# KiCad board poly_kb_molecule_16x5.kicad_pcb (continued)
## Placement (name value [footprint] x y rotation side) (continued)
R1#31  1M  [R_0402_1005Metric]  155.8 50.91 270 bottom
R1#32  1M  [R_0402_1005Metric]  270.1 69.96 270 bottom
R1#33  1M  [R_0402_1005Metric]  60.55 89.01 270 bottom
R1#34  1M  [R_0402_1005Metric]  3.4 69.96 270 bottom
R1#35  1M  [R_0402_1005Metric]  136.75 50.91 270 bottom
R1#36  1M  [R_0402_1005Metric]  289.15 89.01 270 bottom
R1#37  1M  [R_0402_1005Metric]  251.05 50.91 270 bottom
R1#38  1M  [R_0402_1005Metric]  155.8 69.96 270 bottom
R1#39  1M  [R_0402_1005Metric]  155.8 12.81 270 bottom
R1#40  1M  [R_0402_1005Metric]  155.8 31.86 270 bottom
R1#41  1M  [R_0402_1005Metric]  174.85 89.01 270 bottom
R1#42  1M  [R_0402_1005Metric]  117.7 69.96 270 bottom
R1#43  1M  [R_0402_1005Metric]  174.85 12.81 270 bottom
R1#44  1M  [R_0402_1005Metric]  136.75 12.81 270 bottom
R1#45  1M  [R_0402_1005Metric]  41.5 12.81 270 bottom
R1#46  1M  [R_0402_1005Metric]  193.9 89.01 270 bottom
R1#47  1M  [R_0402_1005Metric]  41.5 69.96 270 bottom
R1#48  1M  [R_0402_1005Metric]  3.4 89.01 270 bottom
R1#49  1M  [R_0402_1005Metric]  270.1 31.86 270 bottom
R1#50  1M  [R_0402_1005Metric]  155.8 89.01 270 bottom
R1#51  1M  [R_0402_1005Metric]  98.65 89.01 270 bottom
R1#52  1M  [R_0402_1005Metric]  212.95 89.01 270 bottom
R1#53  1M  [R_0402_1005Metric]  193.9 50.91 270 bottom
R1#54  1M  [R_0402_1005Metric]  251.05 89.01 270 bottom
R1#55  1M  [R_0402_1005Metric]  212.95 31.86 270 bottom
R1#56  1M  [R_0402_1005Metric]  289.15 69.96 270 bottom
R1#57  1M  [R_0402_1005Metric]  79.6 12.81 270 bottom
R1#58  1M  [R_0402_1005Metric]  22.45 31.86 270 bottom
R1#59  1M  [R_0402_1005Metric]  193.9 69.96 270 bottom
R1#60  1M  [R_0402_1005Metric]  60.55 12.81 270 bottom
R1#61  1M  [R_0402_1005Metric]  232 89.01 270 bottom
R1#62  1M  [R_0402_1005Metric]  136.75 89.01 270 bottom
R1#63  1M  [R_0402_1005Metric]  117.7 89.01 270 bottom
R1#64  1M  [R_0402_1005Metric]  174.85 31.86 270 bottom
R1#65  1M  [R_0402_1005Metric]  289.15 50.91 270 bottom
R1#66  1M  [R_0402_1005Metric]  251.05 69.96 270 bottom
R1#67  1M  [R_0402_1005Metric]  270.1 89.01 270 bottom
R1#68  1M  [R_0402_1005Metric]  289.15 12.81 270 bottom
R1#69  1M  [R_0402_1005Metric]  193.9 31.86 270 bottom
R1#70  1M  [R_0402_1005Metric]  117.7 50.91 270 bottom
R1#71  1M  [R_0402_1005Metric]  117.7 31.86 270 bottom
R1#72  1M  [R_0402_1005Metric]  60.55 31.86 270 bottom
R1#73  1M  [R_0402_1005Metric]  251.05 12.81 270 bottom
R1#74  1M  [R_0402_1005Metric]  212.95 12.81 270 bottom
R1#75  1M  [R_0402_1005Metric]  41.5 31.86 270 bottom
R1#76  1M  [R_0402_1005Metric]  212.95 50.91 270 bottom
R1#77  1M  [R_0402_1005Metric]  270.1 50.91 270 bottom
R1#78  1M  [R_0402_1005Metric]  136.75 31.86 270 bottom
R1#79  1M  [R_0402_1005Metric]  79.6 89.01 270 bottom
R1#80  1M  [R_0402_1005Metric]  174.85 50.91 270 bottom
SW1  SW_Push  [SW_Cherry_MX_1.00u_PCB_NoSilk]  12.06 89.53 0 top
SW1#2  SW_Push  [SW_Cherry_MX_1.00u_PCB_NoSilk]  240.67 51.44 0 top
SW1#3  SW_Push  [SW_Cherry_MX_1.00u_PCB_NoSilk]  88.27 51.44 0 top
SW1#4  SW_Push  [SW_Cherry_MX_1.00u_PCB_NoSilk]  221.62 70.48 0 top
SW1#5  SW_Push  [SW_Cherry_MX_1.00u_PCB_NoSilk]  259.71 70.48 0 top
SW1#6  SW_Push  [SW_Cherry_MX_1.00u_PCB_NoSilk]  107.31 13.34 0 top
SW1#7  SW_Push  [SW_Cherry_MX_1.00u_PCB_NoSilk]  278.76 70.48 0 top
SW1#8  SW_Push  [SW_Cherry_MX_1.00u_PCB_NoSilk]  240.67 89.53 0 top
SW1#9  SW_Push  [SW_Cherry_MX_1.00u_PCB_NoSilk]  107.31 32.38 0 top
SW1#10  SW_Push  [SW_Cherry_MX_1.00u_PCB_NoSilk]  183.51 70.48 0 top
SW1#11  SW_Push  [SW_Cherry_MX_1.00u_PCB_NoSilk]  202.56 32.38 0 top
SW1#12  SW_Push  [SW_Cherry_MX_1.00u_PCB_NoSilk]  259.71 13.34 0 top
SW1#13  SW_Push  [SW_Cherry_MX_1.00u_PCB_NoSilk]  240.67 13.34 0 top
SW1#14  SW_Push  [SW_Cherry_MX_1.00u_PCB_NoSilk]  126.37 13.34 0 top
SW1#15  SW_Push  [SW_Cherry_MX_1.00u_PCB_NoSilk]  164.47 13.34 0 top
SW1#16  SW_Push  [SW_Cherry_MX_1.00u_PCB_NoSilk]  221.62 89.53 0 top
SW1#17  SW_Push  [SW_Cherry_MX_1.00u_PCB_NoSilk]  12.06 70.48 0 top
SW1#18  SW_Push  [SW_Cherry_MX_1.00u_PCB_NoSilk]  240.67 32.38 0 top
SW1#19  SW_Push  [SW_Cherry_MX_1.00u_PCB_NoSilk]  126.37 32.38 0 top
SW1#20  SW_Push  [SW_Cherry_MX_1.00u_PCB_NoSilk]  278.76 51.44 0 top
SW1#21  SW_Push  [SW_Cherry_MX_1.00u_PCB_NoSilk]  259.71 51.44 0 top
SW1#22  SW_Push  [SW_Cherry_MX_1.00u_PCB_NoSilk]  183.51 89.53 0 top
SW1#23  SW_Push  [SW_Cherry_MX_1.00u_PCB_NoSilk]  202.56 13.34 0 top
SW1#24  SW_Push  [SW_Cherry_MX_1.00u_PCB_NoSilk]  278.76 89.53 0 top
SW1#25  SW_Push  [SW_Cherry_MX_1.00u_PCB_NoSilk]  50.16 32.38 0 top
SW1#26  SW_Push  [SW_Cherry_MX_1.00u_PCB_NoSilk]  126.37 51.44 0 top
SW1#27  SW_Push  [SW_Cherry_MX_1.00u_PCB_NoSilk]  126.37 89.53 0 top
SW1#28  SW_Push  [SW_Cherry_MX_1.00u_PCB_NoSilk]  31.11 32.38 0 top
SW1#29  SW_Push  [SW_Cherry_MX_1.00u_PCB_NoSilk]  107.31 51.44 0 top
SW1#30  SW_Push  [SW_Cherry_MX_1.00u_PCB_NoSilk]  12.06 13.34 0 top
SW1#31  SW_Push  [SW_Cherry_MX_1.00u_PCB_NoSilk]  278.76 32.38 0 top
SW1#32  SW_Push  [SW_Cherry_MX_1.00u_PCB_NoSilk]  107.31 70.48 0 top
SW1#33  SW_Push  [SW_Cherry_MX_1.00u_PCB_NoSilk]  297.81 51.44 0 top
SW1#34  SW_Push  [SW_Cherry_MX_1.00u_PCB_NoSilk]  12.06 32.38 0 top
SW1#35  SW_Push  [SW_Cherry_MX_1.00u_PCB_NoSilk]  69.22 51.44 0 top
SW1#36  SW_Push  [SW_Cherry_MX_1.00u_PCB_NoSilk]  88.27 89.53 0 top
SW1#37  SW_Push  [SW_Cherry_MX_1.00u_PCB_NoSilk]  221.62 32.38 0 top
SW1#38  SW_Push  [SW_Cherry_MX_1.00u_PCB_NoSilk]  183.51 51.44 0 top
SW1#39  SW_Push  [SW_Cherry_MX_1.00u_PCB_NoSilk]  31.11 70.48 0 top
SW1#40  SW_Push  [SW_Cherry_MX_1.00u_PCB_NoSilk]  69.22 89.53 0 top
SW1#41  SW_Push  [SW_Cherry_MX_1.00u_PCB_NoSilk]  69.22 32.38 0 top
SW1#42  SW_Push  [SW_Cherry_MX_1.00u_PCB_NoSilk]  31.11 89.53 0 top
SW1#43  SW_Push  [SW_Cherry_MX_1.00u_PCB_NoSilk]  107.31 89.53 0 top
SW1#44  SW_Push  [SW_Cherry_MX_1.00u_PCB_NoSilk]  126.37 70.48 0 top
SW1#45  SW_Push  [SW_Cherry_MX_1.00u_PCB_NoSilk]  12.06 51.44 0 top
SW1#46  SW_Push  [SW_Cherry_MX_1.00u_PCB_NoSilk]  88.27 70.48 0 top
SW1#47  SW_Push  [SW_Cherry_MX_1.00u_PCB_NoSilk]  183.51 32.38 0 top
SW1#48  SW_Push  [SW_Cherry_MX_1.00u_PCB_NoSilk]  88.27 13.34 0 top
SW1#49  SW_Push  [SW_Cherry_MX_1.00u_PCB_NoSilk]  202.56 70.48 0 top
SW1#50  SW_Push  [SW_Cherry_MX_1.00u_PCB_NoSilk]  164.47 51.44 0 top
SW1#51  SW_Push  [SW_Cherry_MX_1.00u_PCB_NoSilk]  297.81 70.48 0 top
SW1#52  SW_Push  [SW_Cherry_MX_1.00u_PCB_NoSilk]  221.62 13.34 0 top
SW1#53  SW_Push  [SW_Cherry_MX_1.00u_PCB_NoSilk]  297.81 32.38 0 top
SW1#54  SW_Push  [SW_Cherry_MX_1.00u_PCB_NoSilk]  259.71 32.38 0 top
SW1#55  SW_Push  [SW_Cherry_MX_1.00u_PCB_NoSilk]  145.41 32.38 0 top
SW1#56  SW_Push  [SW_Cherry_MX_1.00u_PCB_NoSilk]  145.41 51.44 0 top
SW1#57  SW_Push  [SW_Cherry_MX_1.00u_PCB_NoSilk]  69.22 70.48 0 top
SW1#58  SW_Push  [SW_Cherry_MX_1.00u_PCB_NoSilk]  69.22 13.34 0 top
SW1#59  SW_Push  [SW_Cherry_MX_1.00u_PCB_NoSilk]  297.81 13.34 0 top
SW1#60  SW_Push  [SW_Cherry_MX_1.00u_PCB_NoSilk]  50.16 51.44 0 top
SW1#61  SW_Push  [SW_Cherry_MX_1.00u_PCB_NoSilk]  202.56 51.44 0 top
SW1#62  SW_Push  [SW_Cherry_MX_1.00u_PCB_NoSilk]  145.41 13.34 0 top
SW1#63  SW_Push  [SW_Cherry_MX_1.00u_PCB_NoSilk]  50.16 70.48 0 top
SW1#64  SW_Push  [SW_Cherry_MX_1.00u_PCB_NoSilk]  145.41 89.53 0 top
SW1#65  SW_Push  [SW_Cherry_MX_1.00u_PCB_NoSilk]  259.71 89.53 0 top
SW1#66  SW_Push  [SW_Cherry_MX_1.00u_PCB_NoSilk]  202.56 89.53 0 top
SW1#67  SW_Push  [SW_Cherry_MX_1.00u_PCB_NoSilk]  164.47 89.53 0 top
SW1#68  SW_Push  [SW_Cherry_MX_1.00u_PCB_NoSilk]  145.41 70.48 0 top
SW1#69  SW_Push  [SW_Cherry_MX_1.00u_PCB_NoSilk]  31.11 13.34 0 top
SW1#70  SW_Push  [SW_Cherry_MX_1.00u_PCB_NoSilk]  221.62 51.44 0 top
SW1#71  SW_Push  [SW_Cherry_MX_1.00u_PCB_NoSilk]  31.11 51.44 0 top
SW1#72  SW_Push  [SW_Cherry_MX_1.00u_PCB_NoSilk]  240.67 70.48 0 top
SW1#73  SW_Push  [SW_Cherry_MX_1.00u_PCB_NoSilk]  297.81 89.53 0 top
SW1#74  SW_Push  [SW_Cherry_MX_1.00u_PCB_NoSilk]  183.51 13.34 0 top
SW1#75  SW_Push  [SW_Cherry_MX_1.00u_PCB_NoSilk]  88.27 32.38 0 top
SW1#76  SW_Push  [SW_Cherry_MX_1.00u_PCB_NoSilk]  50.16 89.53 0 top
SW1#77  SW_Push  [SW_Cherry_MX_1.00u_PCB_NoSilk]  164.47 70.48 0 top
SW1#78  SW_Push  [SW_Cherry_MX_1.00u_PCB_NoSilk]  278.76 13.34 0 top
SW1#79  SW_Push  [SW_Cherry_MX_1.00u_PCB_NoSilk]  164.47 32.38 0 top
SW1#80  SW_Push  [SW_Cherry_MX_1.00u_PCB_NoSilk]  50.16 13.34 0 top

## Library data of the parts
C1 C1#2-C1#80 C2 C2#2-C2#80 = -: LCSC: C23630
C3 C3#2-C3#80 C5 C5#2-C5#80 C6 C6#2-C6#80 = -: LCSC: C52923
C4 C4#2-C4#80 C7 C7#2-C7#80 = -: LCSC: C19666
D1 D1#2-D1#80 = -: LCSC: C169468
J1 J1#2-J1#80 = -: LCSC: C561388
LED1 LED1#2-LED1#80 = -: LCSC: C527089

## Footprints (pads in the part's own frame, mm; a bottom-side part is the same pattern mirrored in y, then rotated)
AtomConnect2
  rect 1.5x2 smd: 1(-8,0) 2(-6,0) 3(-4,0) 4(-2,0) 5(0,0) 6(2,0) 7(4,0) 8(6,0) 9(8,0)
AtomConnectCS
  rect 1.5x2 smd: 1(-8,0)
  custom 1.5x2 smd: 2(-6,0.5) 3(-4,0.5) 4(-2,0.5) 5(0,0.5) 6(2,0.5) 7(4,0.5) 8(6,0.5) 9(8,0.5)
  custom 2.3x0.9 smd: 10(-5.5,-0.75) 10(-1.5,-0.75) 10(2.5,-0.75) 10(6.5,-0.75)
C_0402_1005Metric
  rrect 0.56x0.62 smd: 1(-0.48,0) 2(0.48,0)
C_0603_1608Metric
  rrect 0.9x0.95 smd: 1(-0.775,0) 2(0.775,0)
D_SOD-323Ext
  rect 0.8x0.6 smd: 1(-1.05,0) 2(1.05,0)
FPC_16_JUSHUO_AFC05_S16FIA_00
  rect 0.3x1.15 smd: 0(-4.385,-2.81) 0(4.385,-2.81)
  rect 0.3x0.65 smd: 1(-3.75,0) 2(-3.25,0) 3(-2.75,0) 4(-2.25,0) 5(-1.75,0) 6(-1.25,0) 7(-0.75,0) 8(-0.25,0) 9(0.25,0) 10(0.75,0) 11(1.25,0) 12(1.75,0) 13(2.25,0) 14(2.75,0) 15(3.25,0) 16(3.75,0)
R_0402_1005Metric
  rrect 0.54x0.64 smd: 1(-0.51,0) 2(0.51,0)
SW_Cherry_MX_1.00u_PCB_NoSilk
  round 1.7 hole 1.7 unplated: (-7.62,-5.08) (2.54,-5.08)
  round 4 hole 4 unplated: (-2.54,-5.08)
  round 2.2 hole 1.5: 1(0,0) 2(-6.35,-2.54)
TestPoin_1.5x1.5mm_Drill0.7mm
  rect 1.5x1.5 hole 0.7: 1(0,0)
WS2812B-Mini
  rect 1.15x0.9 smd: 1(-1.465,0.89) 2(-1.465,-0.89) 3(1.465,-0.89) 4(1.465,0.89)

## Nets
/Keyboard/sheet605ED2EB/3V3: C3.1 C3#2.1 C3#3.1 C3#4.1 C3#5.1 C3#6.1 C3#7.1 C3#8.1 C3#9.1 C3#10.1 C3#11.1 C3#12.1 C3#13.1 C3#14.1 C3#15.1 C3#16.1 C3#17.1 C3#18.1 C3#19.1 C3#20.1 C3#21.1 C3#22.1 C3#23.1 C3#24.1 C3#25.1 C3#26.1 C3#27.1 C3#28.1 C3#29.1 C3#30.1 C3#31.1 C3#32.1 C3#33.1 C3#34.1 C3#35.1 C3#36.1 C3#37.1 C3#38.1 C3#39.1 C3#40.1 C3#41.1 C3#42.1 C3#43.1 C3#44.1 C3#45.1 C3#46.1 C3#47.1 C3#48.1 C3#49.1 C3#50.1 C3#51.1 C3#52.1 C3#53.1 C3#54.1 C3#55.1 C3#56.1 C3#57.1 C3#58.1 C3#59.1 C3#60.1 C3#61.1 C3#62.1 C3#63.1 C3#64.1 C3#65.1 C3#66.1 C3#67.1 C3#68.1 C3#69.1 C3#70.1 C3#71.1 C3#72.1 C3#73.1 C3#74.1 C3#75.1 C3#76.1 C3#77.1 C3#78.1 C3#79.1 C3#80.1 J1.9 J1#2.9 J1#3.9 J1#4.9 J1#5.9 J1#6.9 J1#7.9 J1#8.9 J1#9.9 J1#10.9 J1#11.9 J1#12.9 J1#13.9 J1#14.9 J1#15.9 J1#16.9 J1#17.9 J1#18.9 J1#19.9 J1#20.9 J1#21.9 J1#22.9 J1#23.9 J1#24.9 J1#25.9 J1#26.9 J1#27.9 J1#28.9 J1#29.9 J1#30.9 J1#31.9 J1#32.9 J1#33.9 J1#34.9 J1#35.9 J1#36.9 J1#37.9 J1#38.9 J1#39.9 J1#40.9 J1#41.9 J1#42.9 J1#43.9 J1#44.9 J1#45.9 J1#46.9 J1#47.9 J1#48.9 J1#49.9 J1#50.9 J1#51.9 J1#52.9 J1#53.9 J1#54.9 J1#55.9 J1#56.9 J1#57.9 J1#58.9 J1#59.9 J1#60.9 J1#61.9 J1#62.9 J1#63.9 J1#64.9 J1#65.9 J1#66.9 J1#67.9 J1#68.9 J1#69.9 J1#70.9 J1#71.9 J1#72.9 J1#73.9 J1#74.9 J1#75.9 J1#76.9 J1#77.9 J1#78.9 J1#79.9 J1#80.9 J3.2 J3#2.2 J3#3.2 J3#4.2 J3#5.2 J3#6.2 J3#7.2 J3#8.2 J3#9.2 J3#10.2 J3#11.2 J3#12.2 J3#13.2 J3#14.2 J3#15.2 J3#16.2 J3#17.2 J3#18.2 J3#19.2 J3#20.2 J3#21.2 J3#22.2 J3#23.2 J3#24.2 J3#25.2 J3#26.2 J3#27.2 J3#28.2 J3#29.2 J3#30.2 J3#31.2 J3#32.2 J3#33.2 J3#34.2 J3#35.2 J3#36.2 J3#37.2 J3#38.2 J3#39.2 J3#40.2 J3#41.2 J3#42.2 J3#43.2 J3#44.2 J3#45.2 J3#46.2 J3#47.2 J3#48.2 J3#49.2 J3#50.2 J3#51.2 J3#52.2 J3#53.2 J3#54.2 J3#55.2 J3#56.2 J3#57.2 J3#58.2 J3#59.2 J3#60.2 J3#61.2 J3#62.2 J3#63.2 J3#64.2 J3#65.2 J3#66.2 J3#67.2 J3#68.2 J3#69.2 J3#70.2 J3#71.2 J3#72.2 J3#73.2 J3#74.2 J3#75.2 J3#76.2 J3#77.2 J3#78.2 J3#79.2 J3#80.2 J4.2 J4#2.2 J4#3.2 J4#4.2 J4#5.2 J4#6.2 J4#7.2 J4#8.2 J4#9.2 J4#10.2 J4#11.2 J4#12.2 J4#13.2 J4#14.2 J4#15.2 J4#16.2 J4#17.2 J4#18.2 J4#19.2 J4#20.2 J4#21.2 J4#22.2 J4#23.2 J4#24.2 J4#25.2 J4#26.2 J4#27.2 J4#28.2 J4#29.2 J4#30.2 J4#31.2 J4#32.2 J4#33.2 J4#34.2 J4#35.2 J4#36.2 J4#37.2 J4#38.2 J4#39.2 J4#40.2 J4#41.2 J4#42.2 J4#43.2 J4#44.2 J4#45.2 J4#46.2 J4#47.2 J4#48.2 J4#49.2 J4#50.2 J4#51.2 J4#52.2 J4#53.2 J4#54.2 J4#55.2 J4#56.2 J4#57.2 J4#58.2 J4#59.2 J4#60.2 J4#61.2 J4#62.2 J4#63.2 J4#64.2 J4#65.2 J4#66.2 J4#67.2 J4#68.2 J4#69.2 J4#70.2 J4#71.2 J4#72.2 J4#73.2 J4#74.2 J4#75.2 J4#76.2 J4#77.2 J4#78.2 J4#79.2 J4#80.2 R1.1 R1#2.1 R1#3.1 R1#4.1 R1#5.1 R1#6.1 R1#7.1 R1#8.1 R1#9.1 R1#10.1 R1#11.1 R1#12.1 R1#13.1 R1#14.1 R1#15.1 R1#16.1 R1#17.1 R1#18.1 R1#19.1 R1#20.1 R1#21.1 R1#22.1 R1#23.1 R1#24.1 R1#25.1 R1#26.1 R1#27.1 R1#28.1 R1#29.1 R1#30.1 R1#31.1 R1#32.1 R1#33.1 R1#34.1 R1#35.1 R1#36.1 R1#37.1 R1#38.1 R1#39.1 R1#40.1 R1#41.1 R1#42.1 R1#43.1 R1#44.1 R1#45.1 R1#46.1 R1#47.1 R1#48.1 R1#49.1 R1#50.1 R1#51.1 R1#52.1 R1#53.1 R1#54.1 R1#55.1 R1#56.1 R1#57.1 R1#58.1 R1#59.1 R1#60.1 R1#61.1 R1#62.1 R1#63.1 R1#64.1 R1#65.1 R1#66.1 R1#67.1 R1#68.1 R1#69.1 R1#70.1 R1#71.1 R1#72.1 R1#73.1 R1#74.1 R1#75.1 R1#76.1 R1#77.1 R1#78.1 R1#79.1 R1#80.1
/Keyboard/sheet605ED2EB/4V2: C2.1 C2#2.1 C2#3.1 C2#4.1 C2#5.1 C2#6.1 C2#7.1 C2#8.1 C2#9.1 C2#10.1 C2#11.1 C2#12.1 C2#13.1 C2#14.1 C2#15.1 C2#16.1 C2#17.1 C2#18.1 C2#19.1 C2#20.1 C2#21.1 C2#22.1 C2#23.1 C2#24.1 C2#25.1 C2#26.1 C2#27.1 C2#28.1 C2#29.1 C2#30.1 C2#31.1 C2#32.1 C2#33.1 C2#34.1 C2#35.1 C2#36.1 C2#37.1 C2#38.1 C2#39.1 C2#40.1 C2#41.1 C2#42.1 C2#43.1 C2#44.1 C2#45.1 C2#46.1 C2#47.1 C2#48.1 C2#49.1 C2#50.1 C2#51.1 C2#52.1 C2#53.1 C2#54.1 C2#55.1 C2#56.1 C2#57.1 C2#58.1 C2#59.1 C2#60.1 C2#61.1 C2#62.1 C2#63.1 C2#64.1 C2#65.1 C2#66.1 C2#67.1 C2#68.1 C2#69.1 C2#70.1 C2#71.1 C2#72.1 C2#73.1 C2#74.1 C2#75.1 C2#76.1 C2#77.1 C2#78.1 C2#79.1 C2#80.1 J1.8 J1#2.8 J1#3.8 J1#4.8 J1#5.8 J1#6.8 J1#7.8 J1#8.8 J1#9.8 J1#10.8 J1#11.8 J1#12.8 J1#13.8 J1#14.8 J1#15.8 J1#16.8 J1#17.8 J1#18.8 J1#19.8 J1#20.8 J1#21.8 J1#22.8 J1#23.8 J1#24.8 J1#25.8 J1#26.8 J1#27.8 J1#28.8 J1#29.8 J1#30.8 J1#31.8 J1#32.8 J1#33.8 J1#34.8 J1#35.8 J1#36.8 J1#37.8 J1#38.8 J1#39.8 J1#40.8 J1#41.8 J1#42.8 J1#43.8 J1#44.8 J1#45.8 J1#46.8 J1#47.8 J1#48.8 J1#49.8 J1#50.8 J1#51.8 J1#52.8 J1#53.8 J1#54.8 J1#55.8 J1#56.8 J1#57.8 J1#58.8 J1#59.8 J1#60.8 J1#61.8 J1#62.8 J1#63.8 J1#64.8 J1#65.8 J1#66.8 J1#67.8 J1#68.8 J1#69.8 J1#70.8 J1#71.8 J1#72.8 J1#73.8 J1#74.8 J1#75.8 J1#76.8 J1#77.8 J1#78.8 J1#79.8 J1#80.8 J3.3 J3#2.3 J3#3.3 J3#4.3 J3#5.3 J3#6.3 J3#7.3 J3#8.3 J3#9.3 J3#10.3 J3#11.3 J3#12.3 J3#13.3 J3#14.3 J3#15.3 J3#16.3 J3#17.3 J3#18.3 J3#19.3 J3#20.3 J3#21.3 J3#22.3 J3#23.3 J3#24.3 J3#25.3 J3#26.3 J3#27.3 J3#28.3 J3#29.3 J3#30.3 J3#31.3 J3#32.3 J3#33.3 J3#34.3 J3#35.3 J3#36.3 J3#37.3 J3#38.3 J3#39.3 J3#40.3 J3#41.3 J3#42.3 J3#43.3 J3#44.3 J3#45.3 J3#46.3 J3#47.3 J3#48.3 J3#49.3 J3#50.3 J3#51.3 J3#52.3 J3#53.3 J3#54.3 J3#55.3 J3#56.3 J3#57.3 J3#58.3 J3#59.3 J3#60.3 J3#61.3 J3#62.3 J3#63.3 J3#64.3 J3#65.3 J3#66.3 J3#67.3 J3#68.3 J3#69.3 J3#70.3 J3#71.3 J3#72.3 J3#73.3 J3#74.3 J3#75.3 J3#76.3 J3#77.3 J3#78.3 J3#79.3 J3#80.3 J4.3 J4#2.3 J4#3.3 J4#4.3 J4#5.3 J4#6.3 J4#7.3 J4#8.3 J4#9.3 J4#10.3 J4#11.3 J4#12.3 J4#13.3 J4#14.3 J4#15.3 J4#16.3 J4#17.3 J4#18.3 J4#19.3 J4#20.3 J4#21.3 J4#22.3 J4#23.3 J4#24.3 J4#25.3 J4#26.3 J4#27.3 J4#28.3 J4#29.3 J4#30.3 J4#31.3 J4#32.3 J4#33.3 J4#34.3 J4#35.3 J4#36.3 J4#37.3 J4#38.3 J4#39.3 J4#40.3 J4#41.3 J4#42.3 J4#43.3 J4#44.3 J4#45.3 J4#46.3 J4#47.3 J4#48.3 J4#49.3 J4#50.3 J4#51.3 J4#52.3 J4#53.3 J4#54.3 J4#55.3 J4#56.3 J4#57.3 J4#58.3 J4#59.3 J4#60.3 J4#61.3 J4#62.3 J4#63.3 J4#64.3 J4#65.3 J4#66.3 J4#67.3 J4#68.3 J4#69.3 J4#70.3 J4#71.3 J4#72.3 J4#73.3 J4#74.3 J4#75.3 J4#76.3 J4#77.3 J4#78.3 J4#79.3 J4#80.3
/Keyboard/sheet605ED2EB/5V: C7.1 C7#2.1 C7#3.1 C7#4.1 C7#5.1 C7#6.1 C7#7.1 C7#8.1 C7#9.1 C7#10.1 C7#11.1 C7#12.1 C7#13.1 C7#14.1 C7#15.1 C7#16.1 C7#17.1 C7#18.1 C7#19.1 C7#20.1 C7#21.1 C7#22.1 C7#23.1 C7#24.1 C7#25.1 C7#26.1 C7#27.1 C7#28.1 C7#29.1 C7#30.1 C7#31.1 C7#32.1 C7#33.1 C7#34.1 C7#35.1 C7#36.1 C7#37.1 C7#38.1 C7#39.1 C7#40.1 C7#41.1 C7#42.1 C7#43.1 C7#44.1 C7#45.1 C7#46.1 C7#47.1 C7#48.1 C7#49.1 C7#50.1 C7#51.1 C7#52.1 C7#53.1 C7#54.1 C7#55.1 C7#56.1 C7#57.1 C7#58.1 C7#59.1 C7#60.1 C7#61.1 C7#62.1 C7#63.1 C7#64.1 C7#65.1 C7#66.1 C7#67.1 C7#68.1 C7#69.1 C7#70.1 C7#71.1 C7#72.1 C7#73.1 C7#74.1 C7#75.1 C7#76.1 C7#77.1 C7#78.1 C7#79.1 C7#80.1 J3.1 J3#2.1 J3#3.1 J3#4.1 J3#5.1 J3#6.1 J3#7.1 J3#8.1 J3#9.1 J3#10.1 J3#11.1 J3#12.1 J3#13.1 J3#14.1 J3#15.1 J3#16.1 J3#17.1 J3#18.1 J3#19.1 J3#20.1 J3#21.1 J3#22.1 J3#23.1 J3#24.1 J3#25.1 J3#26.1 J3#27.1 J3#28.1 J3#29.1 J3#30.1 J3#31.1 J3#32.1 J3#33.1 J3#34.1 J3#35.1 J3#36.1 J3#37.1 J3#38.1 J3#39.1 J3#40.1 J3#41.1 J3#42.1 J3#43.1 J3#44.1 J3#45.1 J3#46.1 J3#47.1 J3#48.1 J3#49.1 J3#50.1 J3#51.1 J3#52.1 J3#53.1 J3#54.1 J3#55.1 J3#56.1 J3#57.1 J3#58.1 J3#59.1 J3#60.1 J3#61.1 J3#62.1 J3#63.1 J3#64.1 J3#65.1 J3#66.1 J3#67.1 J3#68.1 J3#69.1 J3#70.1 J3#71.1 J3#72.1 J3#73.1 J3#74.1 J3#75.1 J3#76.1 J3#77.1 J3#78.1 J3#79.1 J3#80.1 J4.1 J4#2.1 J4#3.1 J4#4.1 J4#5.1 J4#6.1 J4#7.1 J4#8.1 J4#9.1 J4#10.1 J4#11.1 J4#12.1 J4#13.1 J4#14.1 J4#15.1 J4#16.1 J4#17.1 J4#18.1 J4#19.1 J4#20.1 J4#21.1 J4#22.1 J4#23.1 J4#24.1 J4#25.1 J4#26.1 J4#27.1 J4#28.1 J4#29.1 J4#30.1 J4#31.1 J4#32.1 J4#33.1 J4#34.1 J4#35.1 J4#36.1 J4#37.1 J4#38.1 J4#39.1 J4#40.1 J4#41.1 J4#42.1 J4#43.1 J4#44.1 J4#45.1 J4#46.1 J4#47.1 J4#48.1 J4#49.1 J4#50.1 J4#51.1 J4#52.1 J4#53.1 J4#54.1 J4#55.1 J4#56.1 J4#57.1 J4#58.1 J4#59.1 J4#60.1 J4#61.1 J4#62.1 J4#63.1 J4#64.1 J4#65.1 J4#66.1 J4#67.1 J4#68.1 J4#69.1 J4#70.1 J4#71.1 J4#72.1 J4#73.1 J4#74.1 J4#75.1 J4#76.1 J4#77.1 J4#78.1 J4#79.1 J4#80.1 LED1.1 LED1#2.1 LED1#3.1 LED1#4.1 LED1#5.1 LED1#6.1 LED1#7.1 LED1#8.1 LED1#9.1 LED1#10.1 LED1#11.1 LED1#12.1 LED1#13.1 LED1#14.1 LED1#15.1 LED1#16.1 LED1#17.1 LED1#18.1 LED1#19.1 LED1#20.1 LED1#21.1 LED1#22.1 LED1#23.1 LED1#24.1 LED1#25.1 LED1#26.1 LED1#27.1 LED1#28.1 LED1#29.1 LED1#30.1 LED1#31.1 LED1#32.1 LED1#33.1 LED1#34.1 LED1#35.1 LED1#36.1 LED1#37.1 LED1#38.1 LED1#39.1 LED1#40.1 LED1#41.1 LED1#42.1 LED1#43.1 LED1#44.1 LED1#45.1 LED1#46.1 LED1#47.1 LED1#48.1 LED1#49.1 LED1#50.1 LED1#51.1 LED1#52.1 LED1#53.1 LED1#54.1 LED1#55.1 LED1#56.1 LED1#57.1 LED1#58.1 LED1#59.1 LED1#60.1 LED1#61.1 LED1#62.1 LED1#63.1 LED1#64.1 LED1#65.1 LED1#66.1 LED1#67.1 LED1#68.1 LED1#69.1 LED1#70.1 LED1#71.1 LED1#72.1 LED1#73.1 LED1#74.1 LED1#75.1 LED1#76.1 LED1#77.1 LED1#78.1 LED1#79.1 LED1#80.1
/Keyboard/sheet605ED2EB/GND: C1.2 C1#2.2 C1#3.2 C1#4.2 C1#5.2 C1#6.2 C1#7.2 C1#8.2 C1#9.2 C1#10.2 C1#11.2 C1#12.2 C1#13.2 C1#14.2 C1#15.2 C1#16.2 C1#17.2 C1#18.2 C1#19.2 C1#20.2 C1#21.2 C1#22.2 C1#23.2 C1#24.2 C1#25.2 C1#26.2 C1#27.2 C1#28.2 C1#29.2 C1#30.2 C1#31.2 C1#32.2 C1#33.2 C1#34.2 C1#35.2 C1#36.2 C1#37.2 C1#38.2 C1#39.2 C1#40.2 C1#41.2 C1#42.2 C1#43.2 C1#44.2 C1#45.2 C1#46.2 C1#47.2 C1#48.2 C1#49.2 C1#50.2 C1#51.2 C1#52.2 C1#53.2 C1#54.2 C1#55.2 C1#56.2 C1#57.2 C1#58.2 C1#59.2 C1#60.2 C1#61.2 C1#62.2 C1#63.2 C1#64.2 C1#65.2 C1#66.2 C1#67.2 C1#68.2 C1#69.2 C1#70.2 C1#71.2 C1#72.2 C1#73.2 C1#74.2 C1#75.2 C1#76.2 C1#77.2 C1#78.2 C1#79.2 C1#80.2 C2.2 C2#2.2 C2#3.2 C2#4.2 C2#5.2 C2#6.2 C2#7.2 C2#8.2 C2#9.2 C2#10.2 C2#11.2 C2#12.2 C2#13.2 C2#14.2 C2#15.2 C2#16.2 C2#17.2 C2#18.2 C2#19.2 C2#20.2 C2#21.2 C2#22.2 C2#23.2 C2#24.2 C2#25.2 C2#26.2 C2#27.2 C2#28.2 C2#29.2 C2#30.2 C2#31.2 C2#32.2 C2#33.2 C2#34.2 C2#35.2 C2#36.2 C2#37.2 C2#38.2 C2#39.2 C2#40.2 C2#41.2 C2#42.2 C2#43.2 C2#44.2 C2#45.2 C2#46.2 C2#47.2 C2#48.2 C2#49.2 C2#50.2 C2#51.2 C2#52.2 C2#53.2 C2#54.2 C2#55.2 C2#56.2 C2#57.2 C2#58.2 C2#59.2 C2#60.2 C2#61.2 C2#62.2 C2#63.2 C2#64.2 C2#65.2 C2#66.2 C2#67.2 C2#68.2 C2#69.2 C2#70.2 C2#71.2 C2#72.2 C2#73.2 C2#74.2 C2#75.2 C2#76.2 C2#77.2 C2#78.2 C2#79.2 C2#80.2 C3.2 C3#2.2 C3#3.2 C3#4.2 C3#5.2 C3#6.2 C3#7.2 C3#8.2 C3#9.2 C3#10.2 C3#11.2 C3#12.2 C3#13.2 C3#14.2 C3#15.2 C3#16.2 C3#17.2 C3#18.2 C3#19.2 C3#20.2 C3#21.2 C3#22.2 C3#23.2 C3#24.2 C3#25.2 C3#26.2 C3#27.2 C3#28.2 C3#29.2 C3#30.2 C3#31.2 C3#32.2 C3#33.2 C3#34.2 C3#35.2 C3#36.2 C3#37.2 C3#38.2 C3#39.2 C3#40.2 C3#41.2 C3#42.2 C3#43.2 C3#44.2 C3#45.2 C3#46.2 C3#47.2 C3#48.2 C3#49.2 C3#50.2 C3#51.2 C3#52.2 C3#53.2 C3#54.2 C3#55.2 C3#56.2 C3#57.2 C3#58.2 C3#59.2 C3#60.2 C3#61.2 C3#62.2 C3#63.2 C3#64.2 C3#65.2 C3#66.2 C3#67.2 C3#68.2 C3#69.2 C3#70.2 C3#71.2 C3#72.2 C3#73.2 C3#74.2 C3#75.2 C3#76.2 C3#77.2 C3#78.2 C3#79.2 C3#80.2 C4.2 C4#2.2 C4#3.2 C4#4.2 C4#5.2 C4#6.2 C4#7.2 C4#8.2 C4#9.2 C4#10.2 C4#11.2 C4#12.2 C4#13.2 C4#14.2 C4#15.2 C4#16.2 C4#17.2 C4#18.2 C4#19.2 C4#20.2 C4#21.2 C4#22.2 C4#23.2 C4#24.2 C4#25.2 C4#26.2 C4#27.2 C4#28.2 C4#29.2 C4#30.2 C4#31.2 C4#32.2 C4#33.2 C4#34.2 C4#35.2 C4#36.2 C4#37.2 C4#38.2 C4#39.2 C4#40.2 C4#41.2 C4#42.2 C4#43.2 C4#44.2 C4#45.2 C4#46.2 C4#47.2 C4#48.2 C4#49.2 C4#50.2 C4#51.2 C4#52.2 C4#53.2 C4#54.2 C4#55.2 C4#56.2 C4#57.2 C4#58.2 C4#59.2 C4#60.2 C4#61.2 C4#62.2 C4#63.2 C4#64.2 C4#65.2 C4#66.2 C4#67.2 C4#68.2 C4#69.2 C4#70.2 C4#71.2 C4#72.2 C4#73.2 C4#74.2 C4#75.2 C4#76.2 C4#77.2 C4#78.2 C4#79.2 C4#80.2 C7.2 C7#2.2 C7#3.2 C7#4.2 C7#5.2 C7#6.2 C7#7.2 C7#8.2 C7#9.2 C7#10.2 C7#11.2 C7#12.2 C7#13.2 C7#14.2 C7#15.2 C7#16.2 C7#17.2 C7#18.2 C7#19.2 C7#20.2 C7#21.2 C7#22.2 C7#23.2 C7#24.2 C7#25.2 C7#26.2 C7#27.2 C7#28.2 C7#29.2 C7#30.2 C7#31.2 C7#32.2 C7#33.2 C7#34.2 C7#35.2 C7#36.2 C7#37.2 C7#38.2 C7#39.2 C7#40.2 C7#41.2 C7#42.2 C7#43.2 C7#44.2 C7#45.2 C7#46.2 C7#47.2 C7#48.2 C7#49.2 C7#50.2 C7#51.2 C7#52.2 C7#53.2 C7#54.2 C7#55.2 C7#56.2 C7#57.2 C7#58.2 C7#59.2 C7#60.2 C7#61.2 C7#62.2 C7#63.2 C7#64.2 C7#65.2 C7#66.2 C7#67.2 C7#68.2 C7#69.2 C7#70.2 C7#71.2 C7#72.2 C7#73.2 C7#74.2 C7#75.2 C7#76.2 C7#77.2 C7#78.2 C7#79.2 C7#80.2 J1.1 J1.3 J1#2.1 J1#2.3 J1#3.1 J1#3.3 J1#4.1 J1#4.3 J1#5.1 J1#5.3 J1#6.1 J1#6.3 J1#7.1 J1#7.3 J1#8.1 J1#8.3 J1#9.1 J1#9.3 J1#10.1 J1#10.3 J1#11.1 J1#11.3 J1#12.1 J1#12.3 J1#13.1 J1#13.3 J1#14.1 J1#14.3 J1#15.1 J1#15.3 J1#16.1 J1#16.3 J1#17.1 J1#17.3 J1#18.1 J1#18.3 J1#19.1 J1#19.3 J1#20.1 J1#20.3 J1#21.1 J1#21.3 J1#22.1 J1#22.3 J1#23.1 J1#23.3 J1#24.1 J1#24.3 J1#25.1 J1#25.3 J1#26.1 J1#26.3 J1#27.1 J1#27.3 J1#28.1 J1#28.3 J1#29.1 J1#29.3 J1#30.1 J1#30.3 J1#31.1 J1#31.3 J1#32.1 J1#32.3 J1#33.1 J1#33.3 J1#34.1 J1#34.3 J1#35.1 J1#35.3 J1#36.1 J1#36.3 J1#37.1 J1#37.3 J1#38.1 J1#38.3 J1#39.1 J1#39.3 J1#40.1 J1#40.3 J1#41.1 J1#41.3 J1#42.1 J1#42.3 J1#43.1 J1#43.3 J1#44.1 J1#44.3 J1#45.1 J1#45.3 J1#46.1 J1#46.3 J1#47.1 J1#47.3 J1#48.1 J1#48.3 J1#49.1 J1#49.3 J1#50.1 J1#50.3 J1#51.1 J1#51.3 J1#52.1 J1#52.3 J1#53.1 J1#53.3 J1#54.1 J1#54.3 J1#55.1 J1#55.3 J1#56.1 J1#56.3 J1#57.1 J1#57.3 J1#58.1 J1#58.3 J1#59.1 J1#59.3 J1#60.1 J1#60.3 J1#61.1 J1#61.3 J1#62.1 J1#62.3 J1#63.1 J1#63.3 J1#64.1 J1#64.3 J1#65.1 J1#65.3 J1#66.1 J1#66.3 J1#67.1 J1#67.3 J1#68.1 J1#68.3 J1#69.1 J1#69.3 J1#70.1 J1#70.3 J1#71.1 J1#71.3 J1#72.1 J1#72.3 J1#73.1 J1#73.3 J1#74.1 J1#74.3 J1#75.1 J1#75.3 J1#76.1 J1#76.3 J1#77.1 J1#77.3 J1#78.1 J1#78.3 J1#79.1 J1#79.3 J1#80.1 J1#80.3 J5.1 J5#2.1 J5#3.1 J5#4.1 J5#5.1 J5#6.1 J5#7.1 J5#8.1 J5#9.1 J5#10.1 J5#11.1 J5#12.1 J5#13.1 J5#14.1 J5#15.1 J5#16.1 J5#17.1 J5#18.1 J5#19.1 J5#20.1 J5#21.1 J5#22.1 J5#23.1 J5#24.1 J5#25.1 J5#26.1 J5#27.1 J5#28.1 J5#29.1 J5#30.1 J5#31.1 J5#32.1 J5#33.1 J5#34.1 J5#35.1 J5#36.1 J5#37.1 J5#38.1 J5#39.1 J5#40.1 J5#41.1 J5#42.1 J5#43.1 J5#44.1 J5#45.1 J5#46.1 J5#47.1 J5#48.1 J5#49.1 J5#50.1 J5#51.1 J5#52.1 J5#53.1 J5#54.1 J5#55.1 J5#56.1 J5#57.1 J5#58.1 J5#59.1 J5#60.1 J5#61.1 J5#62.1 J5#63.1 J5#64.1 J5#65.1 J5#66.1 J5#67.1 J5#68.1 J5#69.1 J5#70.1 J5#71.1 J5#72.1 J5#73.1 J5#74.1 J5#75.1 J5#76.1 J5#77.1 J5#78.1 J5#79.1 J5#80.1 J6.1 J6#2.1 J6#3.1 J6#4.1 J6#5.1 J6#6.1 J6#7.1 J6#8.1 J6#9.1 J6#10.1 J6#11.1 J6#12.1 J6#13.1 J6#14.1 J6#15.1 J6#16.1 J6#17.1 J6#18.1 J6#19.1 J6#20.1 J6#21.1 J6#22.1 J6#23.1 J6#24.1 J6#25.1 J6#26.1 J6#27.1 J6#28.1 J6#29.1 J6#30.1 J6#31.1 J6#32.1 J6#33.1 J6#34.1 J6#35.1 J6#36.1 J6#37.1 J6#38.1 J6#39.1 J6#40.1 J6#41.1 J6#42.1 J6#43.1 J6#44.1 J6#45.1 J6#46.1 J6#47.1 J6#48.1 J6#49.1 J6#50.1 J6#51.1 J6#52.1 J6#53.1 J6#54.1 J6#55.1 J6#56.1 J6#57.1 J6#58.1 J6#59.1 J6#60.1 J6#61.1 J6#62.1 J6#63.1 J6#64.1 J6#65.1 J6#66.1 J6#67.1 J6#68.1 J6#69.1 J6#70.1 J6#71.1 J6#72.1 J6#73.1 J6#74.1 J6#75.1 LED1.3 LED1#2.3 LED1#3.3 LED1#4.3 LED1#5.3 LED1#6.3 LED1#7.3 LED1#8.3 LED1#9.3 LED1#10.3 LED1#11.3 LED1#12.3 LED1#13.3 LED1#14.3 LED1#15.3 LED1#16.3 LED1#17.3 LED1#18.3 LED1#19.3 LED1#20.3 LED1#21.3 LED1#22.3 LED1#23.3 LED1#24.3 LED1#25.3 LED1#26.3 LED1#27.3 LED1#28.3 LED1#29.3 LED1#30.3 LED1#31.3 LED1#32.3 LED1#33.3 LED1#34.3 LED1#35.3 LED1#36.3 LED1#37.3 LED1#38.3 LED1#39.3 LED1#40.3 LED1#41.3 LED1#42.3 LED1#43.3 LED1#44.3 LED1#45.3 LED1#46.3 LED1#47.3 LED1#48.3 LED1#49.3 LED1#50.3 LED1#51.3 LED1#52.3 LED1#53.3 LED1#54.3 LED1#55.3 LED1#56.3 LED1#57.3 LED1#58.3 LED1#59.3 LED1#60.3 LED1#61.3 LED1#62.3 LED1#63.3 LED1#64.3 LED1#65.3 LED1#66.3 LED1#67.3 LED1#68.3 LED1#69.3 LED1#70.3 LED1#71.3 LED1#72.3 LED1#73.3 LED1#74.3 LED1#75.3 LED1#76.3 LED1#77.3 LED1#78.3 LED1#79.3 LED1#80.3
